# Altium PCB Main Board.PcbDoc (part 2 of 2) (continued)
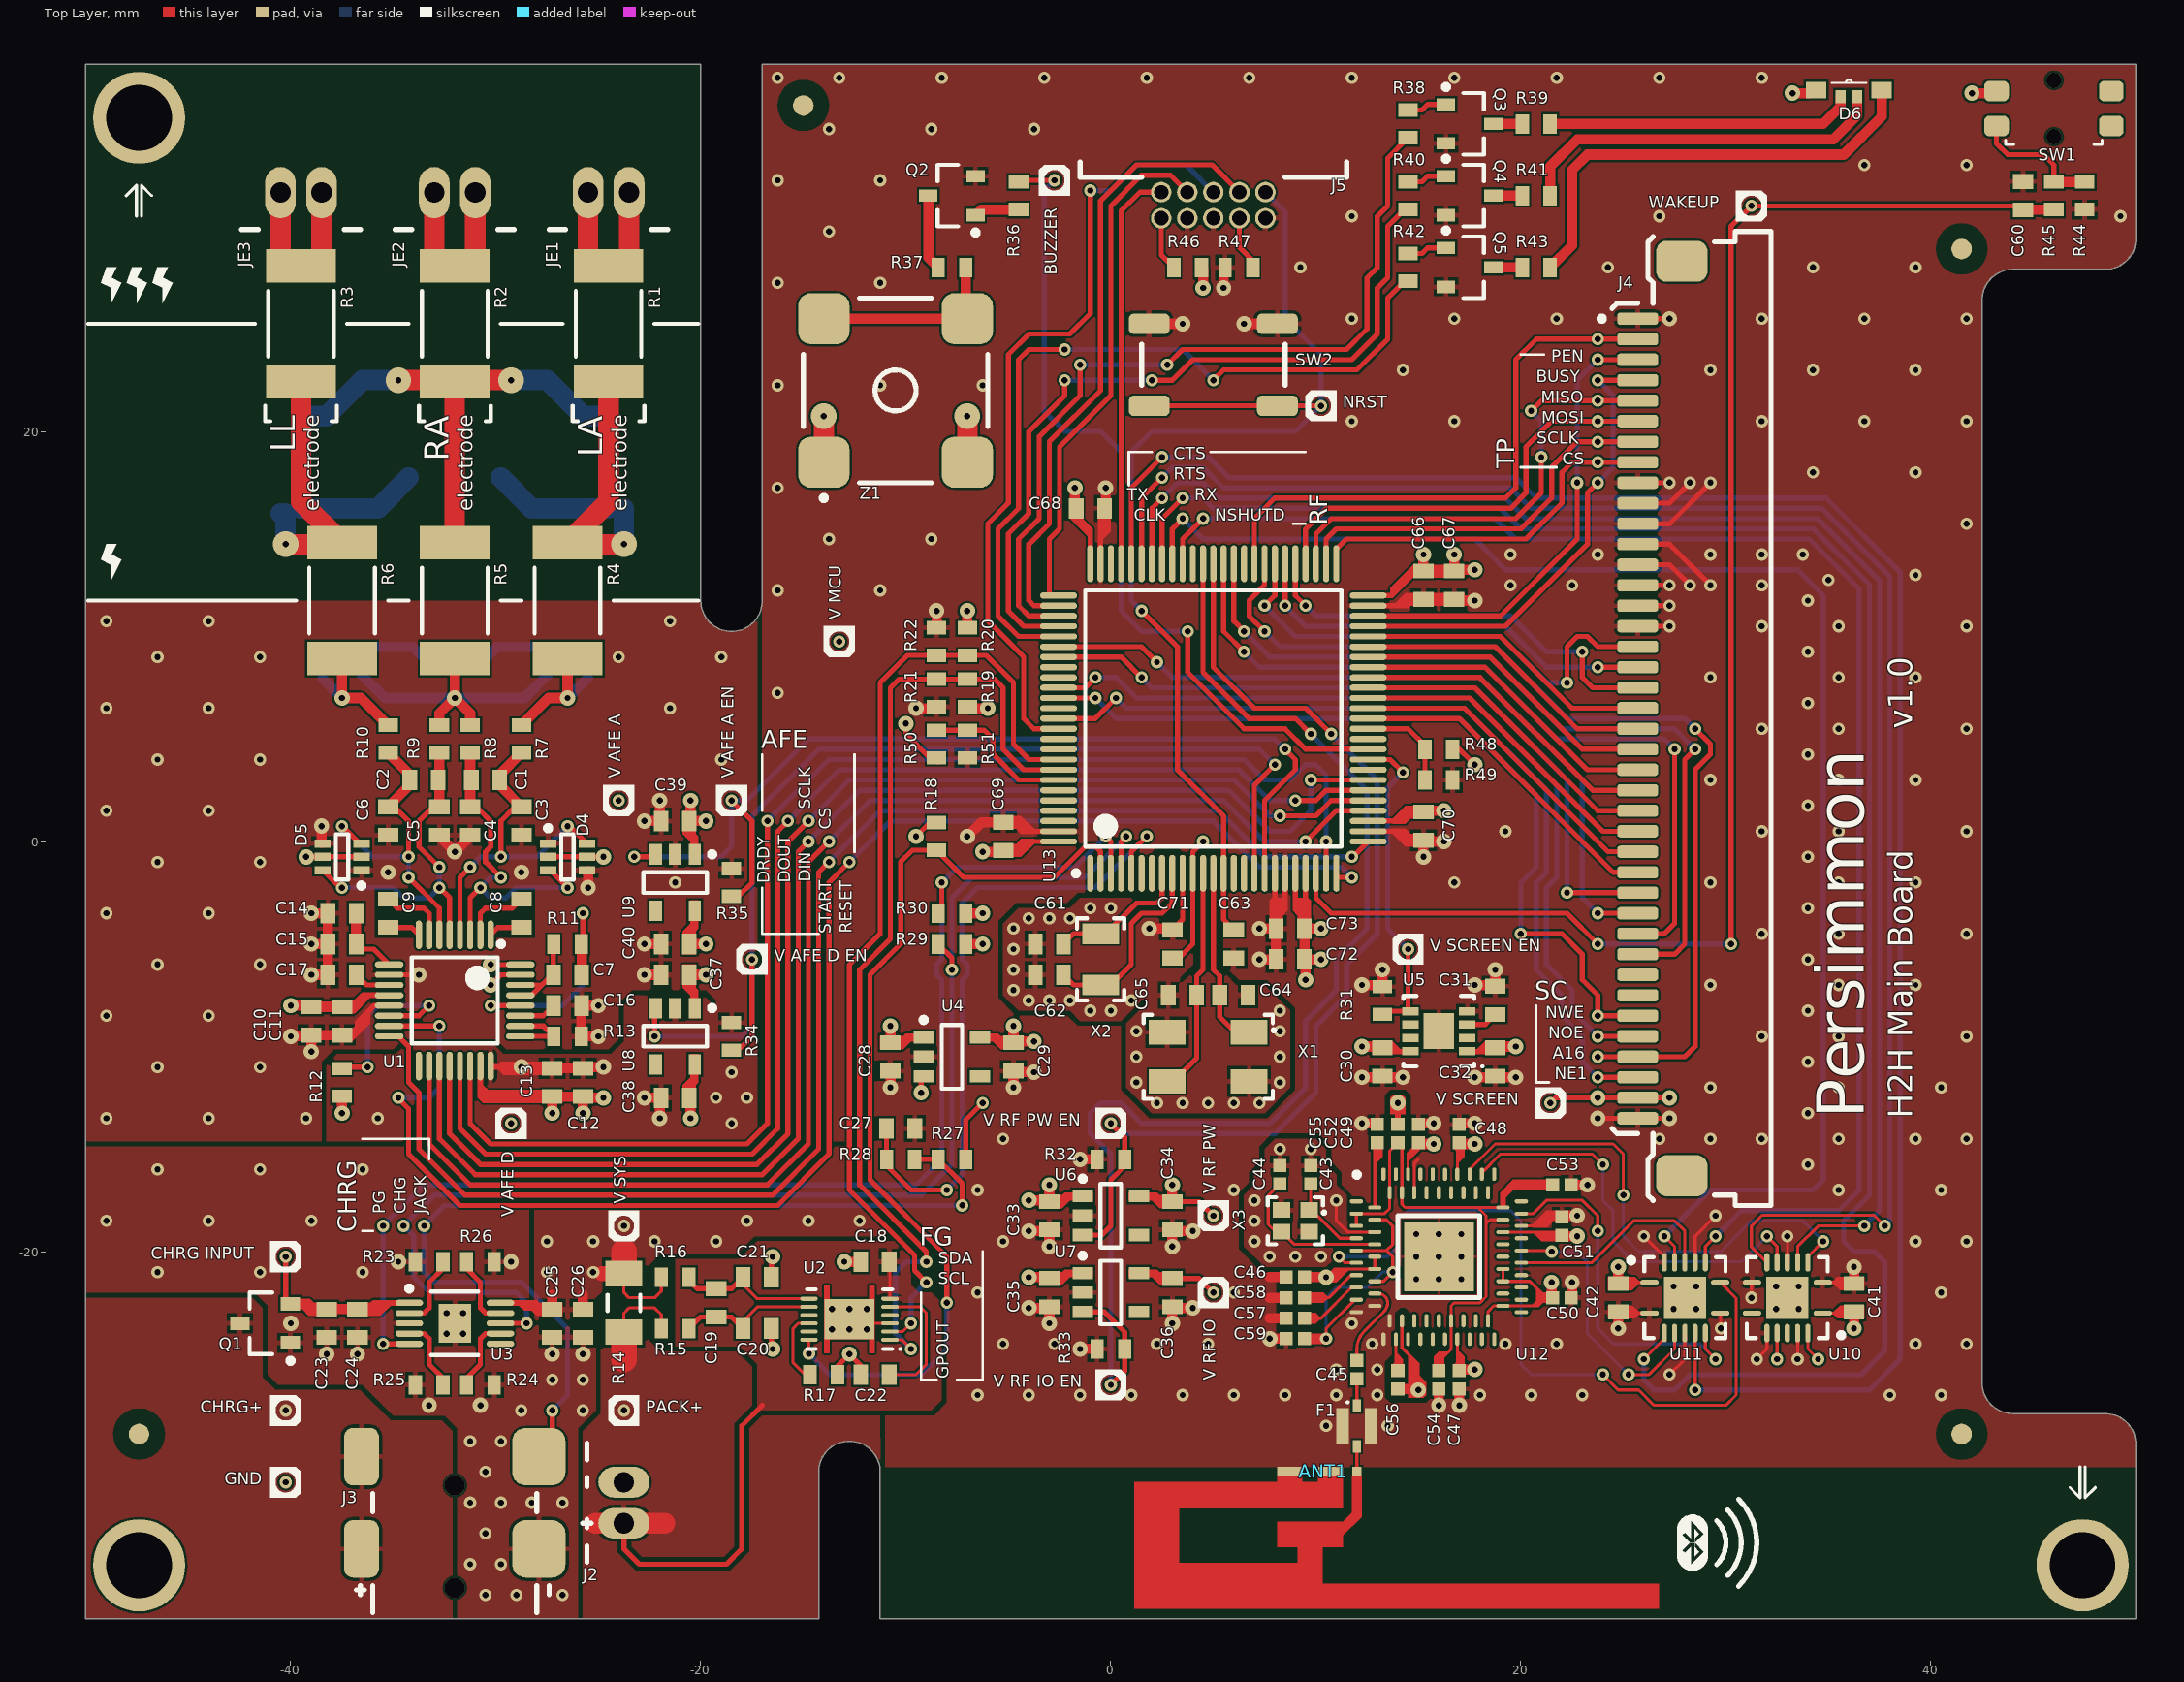
[diagram p0: Top Layer view]
## Nets (pads, with @x,y where several pads share a name; then routed paths per layer and width w, separated by ;. In a path a pad name is that pad's centre, name@x,y a point inside that pad or via, vN(x,y) a via of type N, cw(c..) or ccw(c..) an arc to the next point about the centre after c; other vN are vias at no path point) (continued)
  Bottom Layer w0.25: v3(0,-13.75) 0.5,-14.25 8,-14.25 10,-12.25 10,-9 11.5,-7.5 11.5,-6 13,-4.5 13,3 v4(10.75,5.25)
VDD_SCREEN: C32.2 J4.39 U5.1 | length 6.9
  Top Layer w0.25: v3(21.438,-12.75) 21.688,-12.5 v2(23.75,-12.5) J4.39@25.7,-12.5 v2(27.25,-12.5)
  Top Layer w0.5: C32.2@18.75,-10.06 18.81,-10 v2(19.75,-10)
VDD_SCREEN_EN: R31.1 U5.5 U13.34 | length 15.8
  Top Layer w0.25: U13.34@12.55,4 13.625,4 v3(14.25,3.375) ; R31.1@13.25,-8.425 13.4,-8.275 U5.5@14.61,-8.275 14.5,-8.165 v3(14.5,-5.25)
  Bottom Layer w0.25: v3(14.25,3.375) 13.5,2.625 13.5,-4.25 v3(14.5,-5.25)
VSYS: C25.2 C26.2 C28.2 C30.2 C33.2 C35.2 C37.2 C39.2 R14.2 R16.1 U3.10 U4.1 U4.3 U5.8 U6.1 U7.1 U8.1 U9.1 | length 15.4
  Top Layer w0.15: R14.2@-23.75,-21.075 -23.75,-22 -23.5,-22.25 -22.25,-22.25 -21.925,-21.925 R16.1@-21.925,-21.25
  Top Layer w0.25: v2(-9.25,-12.25) -9.25,-11.575 U4.3@-9.125,-11.45
  Top Layer w0.5: C25.2@-27.25,-22.81 -27.25,-22.125 ; C26.2@-25.75,-22.81 -25.75,-22.125 ; C37.2@-20.56,-6.5 v2(-19.75,-6.5) ; v2(-20.5,2) -20.5,1.06 C39.2@-20.56,1 v2(-19.75,1) ; C28.2@-10.75,-9.81 v2(-10.75,-9) ; v2(-4,-21.25) -3.06,-21.25 C35.2@-3,-21.31 ; v2(-4,-17.5) -3.06,-17.5 C33.2@-3,-17.56 v2(-3,-16.75) ; v2(12.25,-10) 13.19,-10 C30.2@13.25,-10.06
  Top Layer w0.75: -24.825,-21.075 R14.2@-23.75,-21.075
  Top Layer w1.25: R14.2@-23.75,-21.075 -23.75,-20
  other v1: -27.5,-21 -25.25,-21 -27.5,-19.5 -25.25,-19.5 -22.25,-19.5 -19.25,-19.5 -17.75,-18.5 -14.75,-18.5 -12.25,-18.5
  other v5: -23.75,-18.75
WAKEUP: C60.2 R45.2 U13.23 | length 73.6
  Top Layer w0.25: U13.23@10,-1.55 10,-2.736 10.025,-2.761 10.025,-2.775 10.75,-3.5 22.25,-3.5 v3(23.75,-5) ; v4(30.25,-5) 30.25,30 v5(31.25,31) 44.31,31 C60.2@44.5,30.81
  Top Layer w0.5: C60.2@44.515,30.825 R45.2@46,30.825
  Bottom Layer w0.25: v3(23.75,-5) v4(30.25,-5)
X1_N: C64.2 U13.13 X1.1 | length 8.9
  Top Layer w0.25: U13.13@5,-1.55 5,-6.25 5.31,-6.56 C64.2@5.31,-7.5 5.31,-8.56 6.05,-9.3 X1.1@6.75,-9.3
X1_P: C65.2 U13.12 X1.3 | length 11.1
  Top Layer w0.25: X1.3@2.75,-11.7 3.05,-11.7 4.19,-10.56 C65.2@4.19,-7.5 4.19,-6.56 4.5,-6.25 U13.12@4.5,-1.55
X2_N: C62.2 U13.9 X2.1 | length 9.3
  Top Layer w0.25: C62.2@-2.31,-6.5 -1.81,-7 X2.1@-0.5,-7 ; X2.1@0,-7 1,-6 1,-4 1.5,-3.5 2.5,-3.5 3,-3 U13.9@3,-1.55
X2_P: C61.2 U13.8 X2.2 | length 6.9
  Top Layer w0.25: C61.2@-2.31,-5 -1.81,-4.5 X2.2@-0.5,-4.5 -0.25,-4.5 1.25,-3 2.25,-3 2.5,-2.75 U13.8@2.5,-1.55
pads on no net: D1.3 D2.3 D3.3 J4. J4.33 J4.34 SW1.3 SW1.4 U2.4 U2.9 U2.11 U3.6 U4.4 U5.2 U5.6 U5.7 U6.4 U7.4 U8.4 U9.4 U10.8 U10.11 U10.Pad U11.Pad U12.A1 U12.A13 U12.A14 U12.A15 U12.A16 U12.A18 U12.A19 U12.A20 U12.A21 U12.A22 U12.A23 U12.A27 U12.A30 U12.A31 U12.A35 U12.A36 U12.A37 U12.A39 U12.A40 U12.B12 U12.B13 U12.B14 U12.B16 U12.B17 U12.B20 U12.B23 U12.B24 U12.B28 U12.B29 U12.B30 U12.B31 U12.B32 U12.B33 U13.1 U13.6 U13.7 U13.15 U13.16 U13.33 U13.36 U13.60 U13.65 U13.73 U13.83 U13.84 U13.87 U13.91 U13.95 U13.96 U13.97 U13.98
copper on no net:
  other v1: 27.45,-22.8 28.55,-22.8 32.45,-22.8 33.55,-22.8 27.45,-21.7 28.55,-21.7 32.45,-21.7 33.55,-21.7
  other v9: 46,34.375 46,37.125
  other v10: -32,-36.4 -32,-31.4

## Polygon pours and split planes (outlines as drawn)
CHRG_JACK on Top Layer "CHRG_JACK_TOP" (solid, pour order 26): -50,-37.9 -32.125,-37.9 -32.125,-37.25 -32.125,-28.75 -32.625,-28.25 -35.125,-28.25 -36.625,-26.75 -40.75,-26.75 -41.375,-26.125 -41.375,-25.25 -41.375,-22.75 -41.875,-22.25 -50,-22.25
AGND on Top Layer "GND_CHRG_TOP" (solid, pour order 27): -41.125,-26 -40.625,-26.5 -36.5,-26.5 -35,-28 -32.5,-28 -31.875,-28.625 -31.875,-37.9 -26,-37.9 -26,-28.625 -25.125,-27.75 -25.125,-26.5 -25.125,-23.625 -27.875,-23.625 -28.375,-23.125 -28.375,-14.875 -50,-14.875 -50,-22 -41.75,-22 -41.125,-22.625
VSYS on Top Layer "VSYS_TOP" (solid, pour order 24): -25.125,-23.375 -25.125,-22.25 -24.625,-21.75 -22.625,-21.75 -22.625,-20.75 -22,-20.125 -18.25,-20.125 -17.375,-19.25 -10.5,-19.25 -12.75,-17 -12.75,-14.875 -28.125,-14.875 -28.125,-23.375
PACK+ on Top Layer "PACK+_FG_TOP" (solid, pour order 23): -21.25,-20.375 -21.25,-24.625 -18.125,-24.625 -17.25,-25.5 -17.25,-27.5 -17,-27.75 -8.75,-27.75 -8.25,-27.25 -8.25,-22.5 -8.75,-22 -9.375,-22 -9.75,-21.625 -9.75,-20 -10.25,-19.5 -15.5,-19.5 -17.25,-19.5 -18.125,-20.375
PACK+ on Top Layer "PACK+_CHRG_TOP" (solid, pour order 25): -25.75,-37.9 -25.75,-32.625 -25.75,-28.75 -24.875,-27.875 -24.875,-23.25 -22.625,-23.25 -22.625,-24.25 -22,-24.875 -18.25,-24.875 -17.5,-25.625 -17.5,-27.5 -18.375,-28.375 -18.375,-30.125 -18.375,-34.375 -18.875,-34.875 -22.875,-34.875 -23.375,-34.375 -23.375,-34 -24.125,-34 -24.125,-34.625 -23.125,-35.625 -18.625,-35.625 -17.625,-34.625 -17.625,-30.375 -17.625,-28.625 -17,-28 -15.25,-28 -11.25,-28 -11.25,-30.75 ccw(c-12.75,-30.75) -12.75,-29.25 ccw(c-12.75,-30.75) -14.25,-30.75 -14.25,-37.9
AGND on Top Layer "GND_AFE_TOP" (solid, pour order 28): -17.25,-14.625 -50,-14.625 -50,11.75 -20,11.75 ccw(c-18.5,11.75) -18.5,10.25 ccw(c-18.5,11.75) -17.25,10.921 -17.25,9.5
AGND on Top Layer "GND_TOP" (solid, pour order 29): 50,-30.5 50,-29.4 ccw(c48.501,-29.4) 48.5,-27.9 44,-27.9 cw(c44,-26.4) 42.5,-26.4 42.5,26.4 cw(c44,26.4) 44,27.9 48.5,27.9 ccw(c48.5,29.4) 50,29.4 50,37.9 -17,37.9 -17,-14.625 -12.5,-14.625 -12.5,-16.875 -9.5,-19.875 -9.5,-21 -9.5,-21.5 -9.25,-21.75 -8.625,-21.75 -8,-22.375 -8,-27.375 -8.625,-28 -11,-28 -11,-30.5
AGND on L1 "GND_FG_L1" (solid, pour order 30): -22.375,-20.875 -22.375,-24.125 -21.875,-24.625 -18.125,-24.625 -17.25,-25.5 -17.25,-27.5 -17,-27.75 -8.75,-27.75 -8.25,-27.25 -8.25,-22.5 -8.75,-22 -9.375,-22 -9.75,-21.625 -9.75,-20 -10.25,-19.5 -15.5,-19.5 -17.25,-19.5 -18.125,-20.375 -21.875,-20.375
AGND on L1 "GND_L1" (solid, pour order 32): -14.25,-37.9 -14.25,-30.75 cw(c-12.746,-30.75) -12.746,-29.246 cw(c-12.746,-30.75) -11.243,-30.75 -11.243,-28 -17,-28 -17.625,-28.625 -17.625,-30.625 -18.625,-31.625 -22.5,-31.625 -22.5,-30.875 -18.875,-30.875 -18.375,-30.375 -18.375,-28.375 -17.5,-27.5 -17.5,-25.625 -18.25,-24.875 -22,-24.875 -22.625,-24.25 -22.625,-20.75 -22,-20.125 -18.125,-20.125 -18.125,-20 -17.375,-19.25 -10.125,-19.25 -9.5,-19.875 -9.5,-21.5 -9.25,-21.75 -8.625,-21.75 -8,-22.375 -8,-27.375 -8.625,-28 -11.243,-28 -11.243,-30.5 50,-30.5 50,-29.4 ccw(c48.5,-29.4) 48.5,-27.9 44,-27.9 cw(c44,-26.4) 42.5,-26.4 42.5,26.4 cw(c44,26.4) 44,27.9 48.5,27.9 ccw(c48.5,29.4) 50,29.4 50,37.9 -17,37.9 -17,-14.875 -50,-14.875 -50,-37.9
AGND on L1 "GND_AFE_L1" (solid, pour order 31): -17.25,-15.125 -19.25,-15.125 -19.25,-14.625 -50,-14.625 -50,11.75 -37.5,11.75 -20,11.75 ccw(c-18.5,11.75) -18.5,10.25 ccw(c-18.5,11.75) -17.25,10.921 -17.25,9.5
AGND on Bottom Layer "GND_BOT" (solid, pour order 42): -11.25,-30.5 50,-30.5 50,-29.4 ccw(c48.5,-29.4) 48.5,-27.9 44,-27.9 cw(c44,-26.4) 42.5,-26.4 42.5,26.4 cw(c44,26.4) 44,27.9 48.5,27.9 ccw(c48.5,29.4) 50,29.4 50,37.9 -17,37.9 -17,-14.25 -17.625,-14.875 -50,-14.875 -50,-20.125 -50,-37.9 -14.25,-37.9 -14.25,-30.75 cw(c-12.75,-30.75) -12.75,-29.25 cw(c-12.75,-30.75) -11.25,-30.75 -11.25,-28 -17.125,-28 -17.5,-27.625 -17.5,-25.625 -18.25,-24.875 -22,-24.875 -22.625,-24.25 -22.625,-20.75 -22,-20.125 -18.25,-20.125 -17.375,-19.25 -10.125,-19.25 -9.512,-19.863 -9.512,-21.488 -9.25,-21.75 -8.625,-21.75 -8,-22.375 -8,-27.375 -8.625,-28 -11.25,-28
AGND on Bottom Layer "GND_FG_BOT" (solid, pour order 40): -22.375,-20.875 -22.375,-24.125 -21.875,-24.625 -18.125,-24.625 -17.25,-25.5 -17.25,-27.5 -17,-27.75 -8.75,-27.75 -8.25,-27.25 -8.25,-22.5 -8.75,-22 -9.375,-22 -9.75,-21.625 -9.75,-20 -10.25,-19.5 -15.5,-19.5 -17.25,-19.5 -18.125,-20.375 -21.875,-20.375
AGND on Bottom Layer "GND_AFE_BOT" (solid, pour order 41): -17.75,-14.625 -50,-14.625 -50,11.75 -37.5,11.75 -20,11.75 ccw(c-18.5,11.75) -18.5,10.25 ccw(c-18.5,11.75) -17.25,10.921 -17.25,9.5 -17.25,-14.125
VDD_MCU on L2 "VDD_MCU_L2" (solid, pour order 39): -7.625,-10.75 -7.625,-12.75 -7.125,-13.25 1.625,-13.25 7.5,-13.25 8.75,-12 8.75,-9.625 9.375,-9 15.5,-9 30,-9 30.625,-9.625 30.625,-17.25 30.625,-27.25 31.125,-27.75 43.375,-27.75 cw(c43.979,-26.4) 42.5,-26.4 42.5,26.4 cw(c44,26.4) 44,27.9 48.5,27.9 ccw(c48.5,29.4) 50,29.4 50,37.9 -17,37.9 -17,5.5 -12.375,5.5 -11.75,4.875 -11.75,-7.25 -11.25,-7.75 -8.25,-7.75 -7.625,-8.375
VSYS on L2 "VSYS_L2" (solid, pour order 37): -17.625,-14.875 -17,-14.25 -17,-10.125 -17.625,-9.5 -20.75,-9.5 -21.25,-9 -21.25,-6.375 -20.75,-5.875 -17.625,-5.875 -17,-5.25 -17,-2.625 -17.625,-2 -20.75,-2 -21.25,-1.5 -21.25,3.125 -21.25,4.75 -20.75,5.25 -12.5,5.25 -12,4.75 -12,-7.375 -11.375,-8 -8.375,-8 -7.875,-8.5 -7.875,-12.875 -7.25,-13.5 -3,-13.5 -1.125,-13.5 7.625,-13.5 9,-12.125 9,-11 9,-9.75 9.5,-9.25 15.875,-9.25 15.875,-11.75 15.875,-12.625 11.75,-12.625 10.5,-13.875 10.5,-16.125 10,-16.125 0.5,-16.125 -0.125,-16.75 -0.125,-27.25 -0.625,-27.75 -7.5,-27.75 -8,-27.25 -8,-22.375 -8.625,-21.75 -9.125,-21.75 -9.25,-21.75 -9.5,-21.5 -9.5,-19.875 -10.125,-19.25 -13.375,-19.25 -17.375,-19.25 -18.25,-20.125 -22,-20.125 -22.625,-20.75 -22.625,-21.75 -24.625,-21.75 -25.125,-22.25 -25.125,-23.375 -28.125,-23.375 -28.125,-20 -28.125,-14.875
VDD_AFE_D on L2 "VDD_AFE_D_L2" (solid, pour order 35): -21.5,-7.5 -21.5,-9 -21.5,-9.125 -20.875,-9.75 -20,-9.75 -17.75,-9.75 -17.25,-10.25 -17.25,-14.125 -17.75,-14.625 -38.25,-14.625 -38.25,-10.875 -37.75,-10.375 -34.875,-10.375 -34.375,-9.875 -30.125,-9.875 -29.625,-10.375 -24.375,-10.375 -23.75,-9.75 -23.75,-8 -23.25,-7.5
VDD_AFE_A on L2 "VDD_AFE_A_L2" (solid, pour order 38): -21.5,-7.25 -21.5,-6.25 -20.875,-5.625 -19.125,-5.625 -17.75,-5.625 -17.25,-5.125 -17.25,-2.75 -17.75,-2.25 -20.875,-2.25 -21.5,-1.625 -21.5,4.875 -20.875,5.5 -17.25,5.5 -17.25,10.913 cw(c-18.518,11.794) -18.5,10.25 cw(c-18.517,11.733) -20,11.75 -50,11.75 -50,-14.625 -38.5,-14.625 -38.5,-10.75 -37.875,-10.125 -35,-10.125 -34.5,-9.625 -30,-9.625 -29.5,-10.125 -24.5,-10.125 -24,-9.625 -24,-7.875 -23.375,-7.25
VDD_RF_PW on L2 "VDD_RF_PW_L2" (solid, pour order 33): 0.125,-18.25 0.125,-16.875 0.625,-16.375 1.75,-16.375 10.5,-16.375 11,-16.875 11,-21.5 10.5,-22 6.125,-22 5.625,-21.5 5.625,-20.625 5,-20 0.125,-20 0.125,-19.5
VDD_RF_IO on L2 "VDD_RF_IO_L2" (solid, pour order 36): 0.125,-20.25 0.125,-27.25 0.625,-27.75 8.5,-27.75 9,-27.25 9,-24.25 9.5,-23.75 10.625,-23.75 12.625,-21.75 13.25,-21.75 15.25,-23.75 16.25,-23.75 16.75,-24.25 16.75,-27.25 17.25,-27.75 29.875,-27.75 30.375,-27.25 30.375,-14.625 19.5,-14.625 17.75,-12.875 11.875,-12.875 11.625,-13.125 10.75,-14 10.75,-16.25 11.25,-16.75 11.25,-21.625 11.125,-21.75 10.625,-22.25 9.125,-22.25 6,-22.25 5.375,-21.625 5.375,-20.75 4.875,-20.25 3.875,-20.25
VDD_SCREEN on L2 "VDD_SCREEN_L2" (solid, pour order 34): 16.125,-9.25 16.125,-12.625 17.875,-12.625 18.75,-13.5 19.625,-14.375 23.75,-14.375 30.375,-14.375 30.375,-9.75 29.875,-9.25

## Other copper
Top Layer:
  pour cut-out: -35.9,-2.3 -35.9,-4.7 -28.1,-4.7 -28.1,-2.3
  region net AGND: -0.375,14.75 0,15.125 0,16.25 -0.625,16.25 -0.625,14.75
  region net VDD_MCU: -1.125,14.75 -1.125,14.875 -2,15.75 -2,16.25 -1.375,16.25 -1.375,15.75 -0.875,15.25 -0.875,14.75
  region net AGND: 13.75,11.375 14.5,11.375 14.625,11.5 17.25,11.5 17.25,12.125 14.375,12.125 13.75,11.5
  region net VDD_MCU: 13.75,11.875 14.75,12.875 17.25,12.875 17.25,13.5 14.75,13.5 13.625,12.375 13.625,12 13.625,11.875
  region net VDD_MCU: 13.75,0.875 14.375,0.875 14.625,1.125 15.75,1.125 15.75,1.75 14.375,1.75 13.75,1.125
  region net AGND: 13.75,0.625 14.375,0.625 14.625,0.375 15.75,0.375 15.75,-0.25 14.375,-0.25 13.75,0.375
  region net AGND: 7.875,-2.75 7.75,-2.875 7.75,-4.75 8.375,-4.75 8.375,-3.625 8.625,-3.375 8.625,-2.75
  region net VDD_MCU: 9.625,-2.75 9.75,-2.875 9.75,-4.75 9.125,-4.75 9.125,-3.625 8.875,-3.375 8.875,-2.75 9.375,-2.75
  region net AGND: -3.75,0.375 -4.375,0.375 -4.625,0.625 -5.75,0.625 -5.75,1.25 -4.375,1.25 -3.75,0.625
  region net VDD_MCU: -3.75,0.125 -4.375,0.125 -4.625,-0.125 -5.75,-0.125 -5.75,-0.75 -4.375,-0.75 -3.75,-0.125
  pour cut-out: -38.5,-14.625 -38.25,-14.625 -38.25,-10.875 -37.75,-10.375 -34.875,-10.375 -34.375,-9.875 -30.125,-9.875 -29.625,-10.375 -24.375,-10.375 -23.75,-9.75 -23.75,-8 -23.25,-7.5 -19.875,-7.5 -19.375,-8 -19.25,-8 -19.25,-7.75 -19.75,-7.25 -23.375,-7.25 -24,-7.875 -24,-9.625 -24.5,-10.125 -29.5,-10.125 -30,-9.625 -34.5,-9.625 -35,-10.125 -37.875,-10.125 -38.5,-10.75
  pour cut-out: -4.5,-3.25 -2,-3.25 -1.5,-2.75 1.875,-2.75 2.25,-2.375 2.25,-0.625 2.5,-0.375 3,-0.375 3.25,-0.625 3.25,-3.375 2.875,-3.75 2.875,-3.875 3.125,-3.875 3.5,-3.5 3.5,-0.5 3.125,-0.125 2.375,-0.125 2,-0.5 2,-2.25 1.75,-2.5 -1.625,-2.5 -2.125,-3 -4.625,-3 -5.5,-3.875 -5.5,-7.625 -4.625,-8.5 -2.125,-8.5 -1.625,-9 0.625,-9 1.75,-7.875 1.75,-7.75 1.5,-7.75 0.5,-8.75 -1.5,-8.75 -2,-8.25 -4.5,-8.25 -5.25,-7.5 -5.25,-4
  pour cut-out: 0.75,-8.875 0.75,-12 2,-13.25 7.5,-13.25 8.75,-12 8.75,-8.25 7.5,-7 6.125,-7 5.25,-6.125 5.25,-0.625 5,-0.375 4.5,-0.375 4.25,-0.625 4.25,-6.125 3.5,-6.875 3.375,-6.875 3.375,-6.625 4,-6 4,-0.5 4.375,-0.125 5.125,-0.125 5.5,-0.5 5.5,-6 6.25,-6.75 7.625,-6.75 9,-8.125 9,-12.125 7.625,-13.5 1.875,-13.5 0.5,-12.125 0.5,-8.75 1.5,-7.75 1.75,-7.75 1.75,-7.875
  pour cut-out: 11,-16.625 11.25,-16.625 11.25,-16.125 10.75,-15.625 10.75,-14.875 10.125,-14.25 7.875,-14.25 7.25,-14.875 7.25,-15.625 6.75,-16.125 6.75,-16.625 6.25,-17.125 6.25,-19.875 7.375,-21 10.625,-21 11.5,-20.125 13.375,-20.125 13.625,-19.875 13.625,-18.75 13.375,-18.5 11.875,-18.5 11.75,-18.375 11.75,-17.25 11.25,-16.75 11.25,-16.625 11,-16.625 11,-16.75 11.5,-17.25 11.5,-18.5 11.75,-18.75 13.25,-18.75 13.375,-18.875 13.375,-19.75 13.25,-19.875 11.375,-19.875 10.5,-20.75 7.5,-20.75 6.5,-19.75 6.5,-17.25 7,-16.75 7,-16.25 7.5,-15.75 7.5,-15 8,-14.5 10,-14.5 10.5,-15 10.5,-15.75 11,-16.25
  region net AGND: 14,-26.7 14,-26.875 14.5,-26.875 14.5,-27.125 15.25,-27.125 15.375,-27 15.375,-26.375 14.5,-26.375 14.5,-26.625 14,-26.625
  pour cut-out: 13.375,-27.125 13.625,-27.375 15.375,-27.375 15.625,-27.125 15.625,-25.75 14.638,-24.763 14.638,-22.988 14.613,-22.988 14.375,-22.75 14.125,-22.75 13.875,-23 13.875,-23.826 13.875,-24.875 13.375,-25.375
  pour cut-out: 13.375,-14.25 14.625,-14.25 14.625,-12.375 14.375,-12.125 13.625,-12.125 13.375,-12.375
  region net AGND: 14,-13.8 14.125,-13.8 14.125,-13.3 14.375,-13.3 14.375,-12.5 14.25,-12.375 13.75,-12.375 13.625,-12.5 13.625,-13.3 13.875,-13.3 13.875,-13.8
  region net VDD_AFE_A: -35.75,-7.375 -36.5,-7.375 -36.875,-7.75 -38,-7.75 -38,-8.375 -36.875,-8.375 -36.125,-7.625 -35.75,-7.625
  region net AGND: -38,-9.125 -37,-9.125 -36.875,-9 -36.875,-8.75 -36,-7.875 -35.75,-7.875 -35.75,-8.125 -35.875,-8.125 -36.125,-8.375 -36.125,-8.875 -37,-9.75 -38,-9.75
  region net VDD_AFE_D: -26.75,-12.75 -30.625,-12.75 -30.875,-12.5 -30.875,-11.5 -30.625,-11.5 -30.625,-11.875 -30.375,-12.125 -26.75,-12.125
  region net AGND: -30.125,-11.125 -29.875,-11.125 -29.625,-11.375 -26.75,-11.375 -26.75,-10.75 -29.75,-10.75 -29.875,-10.875 -30.125,-10.875
  region net CHRG_IN: -34.75,-22.625 -35.125,-22.625 -35.625,-23.125 -37.25,-23.125 -37.25,-22.5 -36.125,-22.5 -36,-22.375 -34.75,-22.375
  region net VSYS: -29.25,-22.625 -28.875,-22.625 -28.625,-22.875 -28.25,-22.875 -28,-23.125 -26.75,-23.125 -26.75,-22.5 -27.875,-22.5 -28,-22.375 -29.25,-22.375
  region net CHRG_IN: -37.75,-22.5 -38.875,-22.5 -39.062,-22.313 -40.438,-22.313 -40.438,-22.812 -39.438,-22.812 -39.125,-23.125 -37.75,-23.125
  region net VDD_MCU: -6.875,-9.375 -5.5,-9.375 -5.375,-9.5 -4.25,-9.5 -4.25,-10.125 -5.375,-10.125 -5.75,-9.75 -6.875,-9.75
  region net VSYS: -8.625,-9.375 -10,-9.375 -10.125,-9.5 -11.25,-9.5 -11.25,-10.125 -10.125,-10.125 -9.75,-9.75 -8.625,-9.75
  region net VSYS: -0.875,-17.125 -2.25,-17.125 -2.375,-17.25 -3.5,-17.25 -3.5,-17.875 -2.375,-17.875 -2,-17.5 -0.875,-17.5
  region net VSYS: -0.875,-20.875 -2.25,-20.875 -2.375,-21 -3.5,-21 -3.5,-21.625 -2.375,-21.625 -2,-21.25 -0.875,-21.25
  region net VDD_RF_IO: 0.875,-20.875 2.25,-20.875 2.375,-21 3.5,-21 3.5,-21.625 2.375,-21.625 2,-21.25 0.875,-21.25
  region net VDD_RF_PW: 0.875,-17.125 2.25,-17.125 2.375,-17.25 3.5,-17.25 3.5,-17.875 2.375,-17.875 2,-17.5 0.875,-17.5
  region net VDD_AFE_D: -20.125,-10.375 -20.125,-11.75 -20.25,-11.875 -20.25,-13 -20.875,-13 -20.875,-11.875 -20.5,-11.5 -20.5,-10.375
  region net VSYS: -20.125,-8.625 -20.125,-7.25 -20.25,-7.125 -20.25,-6 -20.875,-6 -20.875,-7.125 -20.5,-7.5 -20.5,-8.625
  region net VDD_AFE_A: -20.125,-2.875 -20.125,-4.25 -20.25,-4.375 -20.25,-5.5 -20.875,-5.5 -20.875,-4.375 -20.5,-4 -20.5,-2.875
  region net VSYS: -20.125,-1.125 -20.125,0.25 -20.25,0.375 -20.25,1.5 -20.875,1.5 -20.875,0.375 -20.5,0 -20.5,-1.125
  region net VSYS: 12.75,-9.75 13.75,-9.75 14.125,-10.125 14.25,-10.125 14.25,-10.375 12.75,-10.375
  region net VDD_SCREEN: 19.25,-9.75 18.25,-9.75 17.875,-10.125 17.75,-10.125 17.75,-10.375 19.25,-10.375
  region net VDD_MCU: 35,-23.062 35.25,-23.062 35.438,-23.25 36.75,-23.25 36.75,-22.625 35.563,-22.625 35.25,-22.938 35,-22.938
  region net AGND: 35,-21.437 35.25,-21.437 35.438,-21.25 36.75,-21.25 36.75,-21.875 35.563,-21.875 35.25,-21.562 35,-21.562
  region net VDD_RF_IO: 26,-21.437 25.75,-21.437 25.563,-21.25 24.25,-21.25 24.25,-21.875 25.438,-21.875 25.75,-21.562 26,-21.562
  region net AGND: 26,-23.063 25.75,-23.063 25.563,-23.25 24.25,-23.25 24.25,-22.625 25.438,-22.625 25.75,-22.938 26,-22.938
  region net BT_DCO_LDO_OUT: 13.75,-26 13.75,-25.5 13.875,-25.375 13.875,-24.875 14,-25 14.25,-25.25 14.25,-26
  region net BT_DIG_LDO_OUT: 15.75,-26 15.75,-25.125 16,-24.875 16.5,-24.875 16.25,-25.125 16.25,-26
  region net VDD_RF_IO: 16.875,-24.75 17.25,-25.125 17.25,-26 16.75,-26 16.75,-25.5 16.875,-25.375
  region net VDD_RF_IO: 21.75,-22.5 21,-22.5 20.85,-22.65 20.5,-22.65 20.75,-22.4 20.75,-21.75 21,-22 21.75,-22
  region net VDD_RF_IO: 22.25,-19.5 21,-19.5 20.625,-19.125 20.75,-19 22.25,-19
  region net AGND: 22.25,-18 21.25,-18 20.5,-18.75 20.75,-18.75 21.25,-18.75 21.5,-18.5 22.25,-18.5
  region net BT_DIG_LDO_OUT: 19,-17.125 19.625,-16.5 21.75,-16.5 21.75,-17 19.625,-17 19.25,-17.375 19.25,-17.875 19,-17.875
  region net VDD_RF_IO: 16.875,-15.75 17.25,-15.375 17.25,-14.5 16.75,-14.5 16.75,-15 16.875,-15.125
  region net BT_SRAM_LDO_OUT: 12.875,-15.75 13.25,-15.375 13.25,-14.5 12.75,-14.5 12.75,-15 12.875,-15.125
  region net VDD_RF_IO: 14.5,-15.2 14.825,-14.875 15.125,-14.875 15.125,-15 14.5,-15.625
  region net VDD_RF_PW: 10.5,-21.5 11,-21.5 11.625,-20.875 10.875,-20.875 10.5,-21.25
  region net BT_CL1.5_LDO_OUT: 9.625,-22 10.375,-22 10.625,-22.25 10.375,-22.5 9.625,-22.5
  region net BT_ADC_LDO_OUT: 9.625,-23 10,-23 10.25,-23.25 10,-23.5 9.625,-23.5
  region net BT_MLDO_OUT: 9.625,-24 10.5,-24 10.75,-24.25 10.5,-24.5 9.625,-24.5
  region net AGND: 14.5,-26.375 14.5,-25 15,-25.5 15,-26 15.375,-26.375
L1:
  pour cut-out: 11,-16.625 11.25,-16.625 11.25,-16.125 10.75,-15.625 10.75,-14.875 10.125,-14.25 7.875,-14.25 7.25,-14.875 7.25,-15.625 6.75,-16.125 6.75,-16.625 6.25,-17.125 6.25,-19.875 7.375,-21 10.625,-21 11.5,-20.125 13.375,-20.125 13.625,-19.875 13.625,-18.75 13.375,-18.5 11.875,-18.5 11.75,-18.375 11.5,-18.375 11.5,-18.5 11.75,-18.75 13.25,-18.75 13.375,-18.875 13.375,-19.75 13.25,-19.875 11.375,-19.875 10.5,-20.75 7.5,-20.75 6.5,-19.75 6.5,-17.25 7,-16.75 7,-16.25 7.5,-15.75 7.5,-15 8,-14.5 10,-14.5 10.5,-15 10.5,-15.75 11,-16.25
  pour cut-out: 0.75,-8.875 0.75,-12 2,-13.25 7.5,-13.25 8.75,-12 8.75,-8.25 7.5,-7 6.125,-7 5.25,-6.125 5.25,-0.625 5,-0.375 4.5,-0.375 4.25,-0.625 4.25,-6.125 3.5,-6.875 3.375,-6.875 3.375,-6.625 4,-6 4,-0.5 4.375,-0.125 5.125,-0.125 5.5,-0.5 5.5,-6 6.25,-6.75 7.625,-6.75 9,-8.125 9,-12.125 7.625,-13.5 1.875,-13.5 0.5,-12.125 0.5,-8.75 1.5,-7.75 1.75,-7.75 1.75,-7.875
  pour cut-out: -4.5,-3.25 -2,-3.25 -1.5,-2.75 1.875,-2.75 2.25,-2.375 2.25,-0.625 2.5,-0.375 3,-0.375 3.25,-0.625 3.25,-2.75 3.5,-2.75 3.5,-0.5 3.125,-0.125 2.375,-0.125 2,-0.5 2,-2.25 1.75,-2.5 -1.625,-2.5 -2.125,-3 -4.625,-3 -5.5,-3.875 -5.5,-7.625 -4.625,-8.5 -2.125,-8.5 -1.625,-9 0.625,-9 1.75,-7.875 1.75,-7.75 1.5,-7.75 0.5,-8.75 -1.5,-8.75 -2,-8.25 -4.5,-8.25 -5.25,-7.5 -5.25,-4
  pour cut-out: -35.9,-2.3 -35.9,-4.7 -28.1,-4.7 -28.1,-2.3
  pour cut-out: -38.5,-14.625 -38.25,-14.625 -38.25,-10.875 -37.75,-10.375 -34.875,-10.375 -34.375,-9.875 -30.125,-9.875 -29.625,-10.375 -24.375,-10.375 -23.75,-9.75 -23.75,-8 -23.25,-7.5 -19.875,-7.5 -19.375,-8 -19.25,-8 -19.25,-7.75 -19.75,-7.25 -23.375,-7.25 -24,-7.875 -24,-9.625 -24.5,-10.125 -29.5,-10.125 -30,-9.625 -34.5,-9.625 -35,-10.125 -37.875,-10.125 -38.5,-10.75
L2:
  pour cut-out: -35.9,-2.3 -35.9,-4.7 -28.1,-4.7 -28.1,-2.3
Bottom Layer:
  pour cut-out: -35.9,-2.3 -35.9,-4.7 -28.1,-4.7 -28.1,-2.3
  pour cut-out: -38.5,-14.625 -38.25,-14.625 -38.25,-10.875 -37.75,-10.375 -34.875,-10.375 -34.375,-9.875 -30.125,-9.875 -29.625,-10.375 -24.375,-10.375 -23.75,-9.75 -23.75,-8 -23.25,-7.5 -19.875,-7.5 -19.375,-8 -19.25,-8 -19.25,-7.75 -19.75,-7.25 -23.375,-7.25 -24,-7.875 -24,-9.625 -24.5,-10.125 -29.5,-10.125 -30,-9.625 -34.5,-9.625 -35,-10.125 -37.875,-10.125 -38.5,-10.75
  pour cut-out: -4.5,-3.25 -2,-3.25 -1.5,-2.75 1.875,-2.75 2.25,-2.375 2.25,-0.625 2.5,-0.375 3,-0.375 3.25,-0.625 3.25,-3.375 2.5,-4.125 2.5,-6.75 1.5,-7.75 1.875,-7.75 2.75,-6.875 2.75,-4.125 3.5,-3.5 3.5,-0.5 3.125,-0.125 2.375,-0.125 2,-0.5 2,-2.25 1.75,-2.5 -1.625,-2.5 -2.125,-3 -4.625,-3 -5.5,-3.875 -5.5,-7.625 -4.625,-8.5 -2.125,-8.5 -1.625,-9 0.625,-9 1.875,-7.75 1.5,-7.75 0.5,-8.75 -1.5,-8.75 -2,-8.25 -4.5,-8.25 -5.25,-7.5 -5.25,-4
  pour cut-out: 0.75,-8.875 0.75,-12 2,-13.25 7.5,-13.25 8.75,-12 8.75,-8.25 7.5,-7 6.125,-7 5.25,-6.125 5.25,-0.625 5,-0.375 4.5,-0.375 4.25,-0.625 4.25,-6.125 3.5,-6.875 3.375,-6.875 3.375,-6.625 4,-6 4,-0.5 4.375,-0.125 5.125,-0.125 5.5,-0.5 5.5,-6 6.25,-6.75 7.625,-6.75 9,-8.125 9,-12.125 7.625,-13.5 1.875,-13.5 0.5,-12.125 0.5,-8.75 1.5,-7.75 2.625,-6.625 3.375,-6.625 3.375,-6.875 2.75,-6.875
  pour cut-out: 11,-16.625 11.25,-16.625 11.25,-16.125 10.75,-15.625 10.75,-14.875 10.125,-14.25 7.875,-14.25 7.25,-14.875 7.25,-15.625 6.75,-16.125 6.75,-16.625 6.25,-17.125 6.25,-19.875 7.375,-21 10.625,-21 11.5,-20.125 13.375,-20.125 13.625,-19.875 13.625,-18.75 13.375,-18.5 11.875,-18.5 11.75,-18.375 11.75,-17.25 11.25,-16.75 11.25,-16.625 11,-16.625 11,-16.75 11.5,-17.25 11.5,-18.5 11.75,-18.75 13.25,-18.75 13.375,-18.875 13.375,-19.75 13.25,-19.875 11.375,-19.875 10.5,-20.75 7.5,-20.75 6.5,-19.75 6.5,-17.25 7,-16.75 7,-16.25 7.5,-15.75 7.5,-15 8,-14.5 10,-14.5 10.5,-15 10.5,-15.75 11,-16.25

## Silkscreen, mask and mechanical layers (free items; w line width, h text height)
Top Overlay:
  drawing of 93 lines, arcs and shapes, not listed
  text "WAKEUP" at 26.244,30.68 h1
  text "BUZZER" at -2.43,27.618 h1 r90
  text "PEN" at 21.472,23.18 h1
  text "BUSY" at 20.755,22.18 h1
  text "MISO" at 20.987,21.18 h1
  text "NRST" at 11.327,20.936 h1
  text "MOSI" at 21.01,20.18 h1
  text "SCLK" at 20.773,19.18 h1
  text "LL" at -39.4,19 h2 r90
  text "LA" at -24.4,18.752 h2 r90
  text "RA" at -31.9,18.547 h2 r90
  text "CTS" at 3.077,18.43 h1
  text "TP" at 20,18.187 h1.5 r90
  text "CS" at 22.018,18.18 h1
  text "RTS" at 3.077,17.43 h1
  text "TX" at 0.802,16.43 h1
  text "RX" at 4.077,16.43 h1
  text "electrode" at -38.35,16.103 h1.25 r90
  text "electrode" at -30.85,16.103 h1.25 r90
  text "electrode" at -23.35,16.103 h1.25 r90
  text "CLK" at 1.13,15.43 h1
  text "NSHUTD" at 5.077,15.43 h1
  text "RF" at 10.875,15.438 h1.5 r90
  text "V MCU" at -12.936,10.827 h1 r90
  text "v1.0" at 39.5,5.5 h2 r90
  text "AFE" at -17.063,4.25 h1.5
  text "V AFE A" at -23.686,3.077 h1 r90
  text "V AFE A EN" at -18.186,3.077 h1 r90
  text "SCLK" at -14.43,1.577 h1 r90
  text "CS" at -13.43,0.577 h1 r90
  text "DIN" at -14.43,-1.98 h1 r90
  text "DRDY" at -16.43,-2.044 h1 r90
  text "DOUT" at -15.43,-2.025 h1 r90
  text "RESET" at -12.43,-4.474 h1 r90
  text "START" at -13.43,-4.507 h1 r90
  text "V SCREEN EN" at 15.577,-5.564 h1
  text "V AFE D EN" at -16.423,-6.064 h1
  text "SC" at 20.688,-8 h1.5
  text "NWE" at 21.197,-8.82 h1
  text "NOE" at 21.346,-9.82 h1
  text "A16" at 21.564,-10.82 h1
  text "NE1" at 21.646,-11.82 h1
  text "V SCREEN" at 15.862,-13.07 h1
  text "Persimmon" at 37.5,-13.5 h4 r90
  text "H2H Main Board" at 39.5,-13.5 h2 r90
  text "V RF PW EN" at -6.222,-14.07 h1
  text "V RF PW" at 5.314,-17.173 h1 r90
  text "V SYS" at -23.436,-17.673 h1 r90
  text "PG" at -35.18,-18.173 h1 r90
  text "CHG" at -34.18,-18.173 h1 r90
  text "JACK" at -33.18,-18.173 h1 r90
  text "V AFE D" at -28.93,-18.31 h1 r90
  text "CHRG" at -36.5,-19.062 h1.5 r90
  text "FG" at -9.313,-20 h1.5
  text "CHRG INPUT" at -46.828,-20.57 h1
  text "SDA" at -8.423,-20.82 h1
  text "SCL" at -8.423,-21.82 h1
  text "GPOUT" at -7.68,-26.195 h1 r90
  text "V RF IO" at 5.32,-26.27 h1 r90
  text "V RF IO EN" at -5.726,-26.82 h1
  text "CHRG+" at -44.4,-28.07 h1
  text "PACK+" at -22.673,-28.064 h1
  text "GND" at -43.226,-31.57 h1
Bottom Overlay:
  drawing of 56417 lines, arcs and shapes, not listed
  text "JTAG" at 7.812,35.75 h1.5
  text "LL" at -38.503,33.5 h2
  text "RA" at -30.777,33.5 h2
  text "LA" at -23.379,33.5 h2
  text "Persimmon" at 41,32.5 h5
  text "JTMS" at 2.14,32.42 h1 r270
  text "JTCK" at 3.41,32.42 h1 r270
  text "JTDO" at 4.68,32.42 h1 r270
  text "JTDI" at 5.95,32.42 h1 r270
  text "NRST" at 7.22,32.42 h1 r270
  text "H2H Main Board" at 41,30 h2.5
  text "VCC" at 2.18,27.809 h1 r270
  text "GND" at 3.45,27.751 h1 r270
  text "GND" at 4.72,27.751 h1 r270
  text "GND" at 7.26,27.751 h1 r270
  text "Defibrillator voltages (up to 5000 V)" at -22.25,27.5 h1.5
  text "RTCK" at 5.93,27.235 h1 r270
  text "may be present" at -34.852,26.25 h1.5
  text "Samuel López Asunción" at 39,-11.251 h2 r270
  text "Tomás Valencia Noheda" at 37,-11.322 h2 r270
  text "www.elb105.com" at 25.807,-33 h1.5
  text "b-105" at 41,-33 h5
  text "Failure is not an option" at 41,-35.5 h2.5
Mechanical 1:
  the board outline again, w0.2